# Allegro board HY_UART_DBUG_V20_230103.brd (continued)
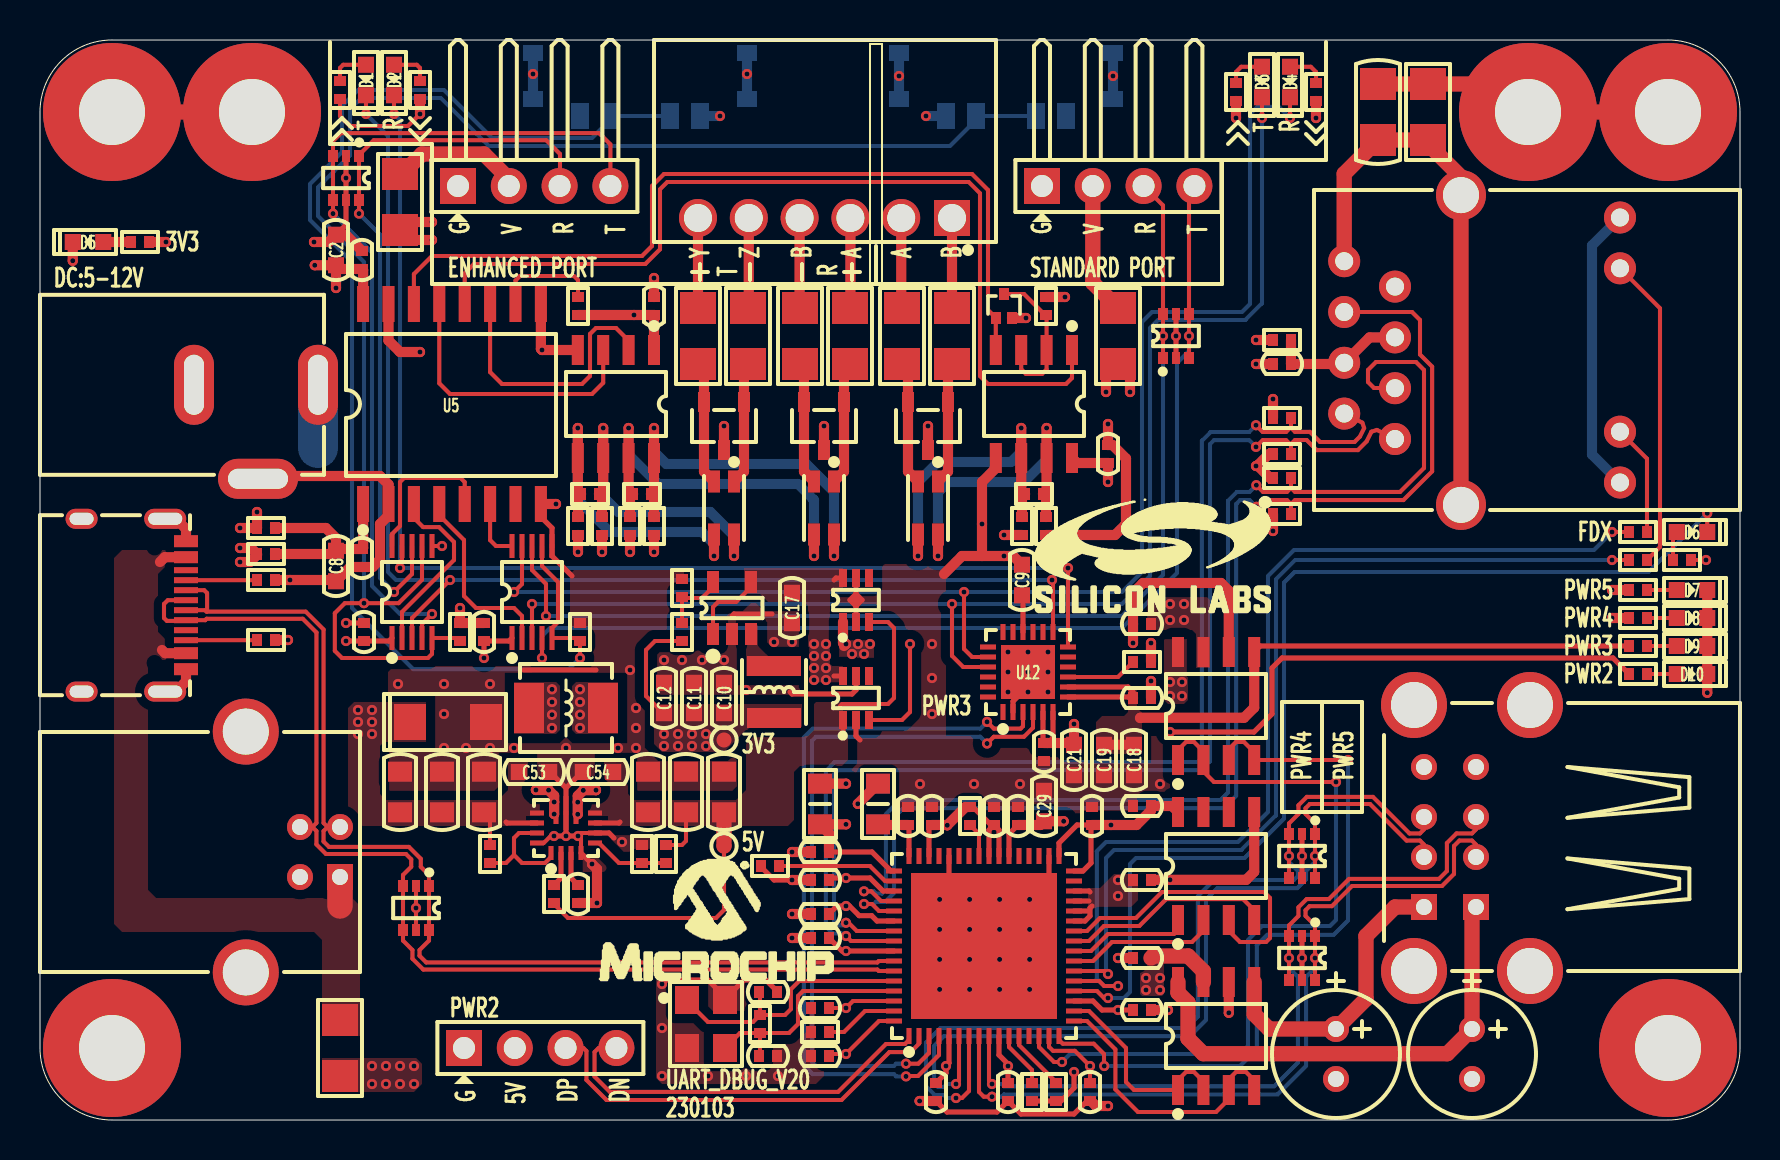
[diagram p0: board, top side]
## Routing (per net, layer and track width the routed paths; a pad name or vN(x,y) marks a point on that pad's centre or on a via; arc(x,y) is an arc through that point) (continued)
  L02_GND w1.27: MH1.1 3.6,46 ; MH4.1 MH3.1 70.1,50.4
  BOTTOM w0.508: J6.1 v1(42.95,52.2) J6.2 ; J7.2 v1(24.65,52.3) J7.1 ; J7.4 v1(35.35,52.3) J7.3 ; J6.3 v1(53.65,52.2) J6.4
  vias: v1(17.9,21.8) v1(20.2,21.8) v1(20.2,20.3) v1(20.2,18.6) v1(21.3,18.6) v1(22.5,21.8) v1(22.5,18.6) v1(23.7,18.6) v1(26.3,18.6) v1(28.9,18.6) v1(29.1,13.9) v1(29.5,22.5) v1(29.8,20.6) v1(29.8,19.6) v1(29.8,18.6) v1(31.1,4.6) v1(31.1,2.2) v1(31.2,23) v1(32.1,23) v1(33.1,23) v1(33.4,2.2) v1(34.2,23) v1(35.3,21.5) v1(35.3,2.2) v1(36.7,23.9) v1(36.9,2.2) v1(37.6,23.9) v1(44,16.8) v1(44.6,23.8) v1(44.6,22.1) v1(44.6,20.3) v1(44.98,11.03) v1(44.98,9.53) v1(44.98,8.03) v1(44.98,6.53) v1(46.48,11.03) v1(46.48,9.53) v1(46.48,8.03) v1(46.48,6.53) v1(46.7,16.8) v1(47.98,11.03) v1(47.98,9.53) v1(47.98,8.03) v1(47.98,6.53) v1(48.4,23.4) v1(48.4,22.4) v1(48.4,21.4) v1(49,16.8) v1(49.4,23.4) v1(49.4,21.4) v1(49.48,11.03) v1(49.48,9.53) v1(49.48,8.03) v1(49.48,6.53) v1(50.4,23.4) v1(50.4,22.4) v1(50.4,21.4) v1(56,16.8)
GND_EARTH: length 28.2
  TOP w0.762: J4.13 J4.14 71.05,47.15 69.4,48.8 R5.1 C1.2 65.21,47.31 J4.8
GND_ISO: length 24.4
  TOP w0.508: R28.1 53.75,29.25 54.3,29.8 54.3,33.07 53.62,33.75 C6.1 v1(53.4,34.8) ; U7.3 v1(39.2,34.7) ; U5.15 17.43,38.98 18,38.4 v1(19,38.4) ; U5.9 25.05,38.55 v1(25.1,38.5) U3.4 ; Q1.2 v1(49.3,40.1) ; R24.1 v1(28.1,28.4) ; U6.3 v1(34.2,34.7) ; U8.3 v1(44.4,34.7) ; R25.1 v1(29.5,28.4) ; C4.1 v1(30.7,42.1)
VBUS_DET: length 2.8
  TOP w0.203: R53.1 49.6,2.5 48.45,3.65 U21.11
VCC_3.3V: length 93.9
  TOP w0.203: R33.2 v1(83.3,28) ; R1.2 15,50.2 15.5,49.7 18.4,49.7 v1(19,50.3) ; C12.1 31.16,20.34 30.3,21.2 30.3,23.5 30.75,23.95 R43.1
  TOP w0.254: R53.2 R54.2 51.05,0.95 51.7,1.6 v1(51.7,2.4) ; C32.2 47.95,14.5 U21.39 ; C32.2 47.45,14.5 U21.40 ; C32.2 47.55,14.75 46.65,15.65 R45.1 ; 52.55,14.75 51.85,14.75 50.95,13.85 U21.33 ; 52.55,14.75 C34.2 ; 52.55,14.75 52.55,12.85 52.15,12.45 U21.32 ; C43.2 v1(53.9,5.5) 53.1,5.5 52.65,5.95 U21.19 ; U21.30 52.45,11.45 52.5,11.4 ; C20.2 50.15,18.9 U12.5 ; U21.28 52.45,10.45 ; U21.46 44.45,14.6 C31.2 ; 50.4,18.85 50.65,19.1 U12.6 ; U21.27 52.25,9.95 52.5,10.2 52.5,10.6 52.6,10.7 ; U10.1 23.45,23.95 C15.2 v1(22.2,23.1) ; U21.29 52.45,10.95 ; v1(15.3,23.95) C14.2 17.45,23.95 U9.1
  TOP w0.508: v1(60.8,32.7) 60.9,32.7 ; 60.9,32.7 61.5,32.1 R18.2 ; 60.9,32.7 60.9,32.75 61.45,33.3 R17.2 ; R15.1 v1(60.8,39) ; v1(51.7,19.8) C21.2 51.61,18.85 C20.2 ; v1(19.6,44.9) 18.4,44.9 F1.1 18.5,44 v1(19.6,44) ; C31.2 45.35,14.75 v1(45.36,14.74) 46.28,15.65 R45.1 ; v1(53.3,36.4) 53.3,37.3 53.8,37.8 F2.1 54,37.8 54.5,37.3 v1(54.5,36.4) ; C34.2 v1(53.55,14.75) 54.82,14.75 55.55,15.48 C13.1 56.6,15.7 U13.8 ; v1(10,27.9) 10.5,27.9 10.85,28.25 R30.1 10.55,28.6 v1(10,28.6) ; R16.2 v1(61.65,36.05) ; R2.2 v1(19,50.3) ; L6.1 v1(40.3,16.82) ; R41.1 v1(55.55,23.85) ; R22.2 v1(61.65,29.45) ; R4.2 v1(63.8,50.1) ; R6.2 v1(6.3,43.9) ; R3.2 v1(59.8,50.1)
  L03_VCC w0.254: 45.1,0.5 48.3,0.5 ; 44.1,1.9 43.6,1.4 42.4,1.4
  L03_VCC w0.508: J4.9 79,30.3
  BOTTOM w0.508: J6.8 v1(44.3,50.2) ; J7.5 v1(34,50.2) ; J4.9 77.6,33.27 77.6,43.73 J4.12
  vias: v1(31.2,19.3) v1(31.2,18.7) v1(31.9,19.3) v1(31.9,18.7) v1(32.6,19.3) v1(32.6,18.7) v1(33.3,19.3) v1(33.3,18.7) v1(53.9,12) v1(53.9,11.2)
VCC_3.3V_ISO: length 91.5
  TOP w0.508: v1(14.8,41.6) C2.1 ; C2.1 14.99,42.55 C3.1 16.16,42.49 U5.16 ; C2.1 v1(13.74,42.74) ; R7.2 v1(29.7,40.25) C4.2 U3.1 ; v1(53.4,31.9) C6.2 51.85,32.85 U4.8 ; R27.2 v1(48.2,29.25) ; R23.2 v1(26.9,28.4) ; R26.2 v1(30.7,28.4) ; R8.1 v1(51.25,41.15)
  L03_VCC w0.762: v1(48.2,29.25) 52.64,29.25 53.4,30.01 v1(53.4,31.9) 51.9,33.4 51.9,40.5 v1(51.25,41.15) 30.6,41.15 v1(29.7,40.25) ; v1(29.7,40.25) 31.8,38.15 31.8,29.5 v1(30.7,28.4) 29.86,29.24 27.74,29.24 v1(26.9,28.4) ; v1(29.7,40.25) 16.15,40.25 v1(14.8,41.6) 13.74,42.66 v1(13.74,42.74)
VCC_5V: length 10
  TOP w0.203: U14.1 33.65,25.65 33.9,25.9 34.8,25.9 35.55,26.65 U14.4
  TOP w0.254: 39.7,27 39.8,27.1 U11.6 ; U15.6 39.7,22.2
  TOP w0.508: v1(10,29.6) R31.1 v1(10.85,30.4)
  TOP w0.762: U18.7 58.17,7.44 57.41,8.2 55.65,8.2 C44.1
  vias: v1(38.7,23.8) v1(38.7,23.2) v1(38.7,22.6) v1(38.7,22) v1(39.3,23.8) v1(39.3,23.2) v1(39.3,22.6) v1(39.3,22) v1(55.3,7.1) v1(55.3,6.5) v1(56,7.1) v1(56,6.5) v1(56.5,25.8) v1(56.5,25) v1(57.2,25.8) v1(57.2,25)
VCC_5V_DC: length 26.3
  TOP w0.203: R50.2 32.1,13.75 32.3,13.95 C26.2 ; 40,20.7 40.1,20.8 42.4,20.8 42.7,21.1 42.7,24.6 42.4,24.9 U11.3 ; TP2.1 34.2,10.5 33.8,10.1 26.4,10.1 25.7,10.8 R48.2
  TOP w0.254: 29,14.9 28.95,14.85 U16.7 ; U15.1 40.15,19.15 40.2,19.1
  TOP w0.762: TP2.1 C27.2
VCC_IN: length 6.5
  TOP w0.203: R47.2 22.5,15.08 C24.2
  TOP w0.254: 23.3,14.9 23.35,14.85 U16.13
  BOTTOM w2: DC1.1 13.9,33.6
  vias: v1(15.9,20.5) v1(15.9,19.9) v1(15.9,19.3) v1(16.6,20.5) v1(16.6,19.9) v1(16.6,19.3)
VCC_PWR2: length 74.4
  TOP w0.254: v1(56.5,19.4) 60.7,19.4 61.6,20.3 61.6,22.6 62.1,23.1 78.65,23.1 R42.2
  L03_VCC w0.762: J5.2 23.7,3.64 23.7,7 24.8,8.1 34.84,8.1 35.6,8.86 35.6,16.9 36.5,17.8 55.6,17.8 56.5,18.7 v1(56.5,19.4) v1(56.5,21.2)
  vias: v1(56.5,21.9) v1(57.1,21.9) v1(57.1,21.2)
VCC_PWR3: length 36
  TOP w0.254: 54.6,21.15 U12.7 ; C16.2 54.65,21.4 54.4,21.65 U12.8 ; R40.2 61.01,23.7 U23.5
  TOP w0.508: 55,20.1 55.01,20.11 60.2,20.11 60.71,20.62 U23.5 ; C16.2 54.6,21.15 ; 54.7,18.8 C18.2 C19.2
VCC_PWR4: length 39.1
  TOP w0.508: R36.2 v1(78.6,25.1)
  TOP w0.762: USB2.5 67.75,10.65 66.3,9.2 66.3,6.05 C46.1 61.45,4.55 60.71,5.29 U18.5
  L03_VCC w0.508: USB2.5 70.45,11.9 78.2,11.9 79.31,13.01 79.31,24.39 v1(78.6,25.1)
VCC_PWR5: length 49.2
  TOP w0.508: R35.2 v1(78.6,26.5)
  TOP w0.762: USB2.1 71.6,10.45 C47.1 70.37,3.32 58.16,3.32 57.4,4.08 57.4,5.87 56.9,6.37 U18.8
  L03_VCC w0.508: USB2.1 71.85,10.7 78.8,10.7 80.2,12.1 80.2,24.9 v1(78.6,26.5)
VCC_USB: length 7
  TOP w0.203: U15.3 43.1,20 43.5,20.4 v1(43.5,23.8)
  TOP w0.508: U11.1 40.15,23.85 40.25,23.85 v1(40.3,23.8) 40.2,23.7
  vias: v1(16.6,2.7) v1(16.6,1.8) v1(17.3,2.7) v1(17.3,1.8) v1(18,2.7) v1(18,1.8) v1(18.7,2.7) v1(18.7,1.8) v1(40.6,23.3) v1(40.9,23.8) v1(41.2,23.3) v1(41.5,23.8)
VCC_VBUS: length 4.1
  TOP w0.508: USB1.11 6.26,23.34 6.1,23.5 ; 6,27.9 6.24,28.14 USB1.2
  TOP w1.27: USB3.1 15,10.7
VDD18CORE: length 20.7
  TOP w0.203: C52.2 v1(52.5,2.7) 51.74,3.46 50.65,3.46 50.45,3.66 U21.15
  TOP w0.254: U21.38 48.45,14.3 C33.2
  TOP w0.508: C33.2 50.01,14.75 C29.2 v1(51.18,14.94)
  L03_VCC w0.508: v1(52.5,2.7) 52.41,2.79 52.41,2.79 51.99,3.21 51.99,3.21 51.18,4.02 v1(51.18,14.94)
VDD18ETHPLL: length 3.1
  TOP w0.254: U21.48 43.45,14.7 C30.2
  TOP w0.508: C30.2 41.93,14.75 L7.2
VDD18USBPLL: length 18.6
  TOP w0.203: U21.62 40.65,5.95 v1(40.3,5.6) C45.2
  TOP w0.508: L7.1 v1(40.89,15.81)
  L03_VCC w0.508: v1(40.89,15.81) 39.01,15.81 38.4,15.2 38.4,13.71 38.41,13.69 38.41,13.11 38.4,13.09 38.4,6.4 39.2,5.6 v1(40.3,5.6)
VDD33A: length 48.3
  TOP w0.203: C49.2 39.55,3.3 v1(40.3,3.3) 41.95,4.95 U21.64
  TOP w0.254: U21.5 45.45,2.85 v1(45.3,2.7) 45.3,2.35 C50.2 ; C51.2 v1(48.4,2.7) 48.4,2.8 47.95,3.25 U21.10 ; U21.49 42.55,12.45 41.6,13.4 C36.2 ; U21.57 v1(40.3,8.45) 40.1,8.45 C41.2 ; C40.2 39.85,10.7 v1(40.3,10.7) 40.47,10.7 40.96,10.22 41.58,10.22 41.85,9.95 U21.54 ; C38.2 39.55,12.1 v1(40.3,12.1) 41.5,12.1 42.15,11.45 U21.51
  TOP w0.508: C36.2 39.45,14.33 L6.2 v1(40.3,14.78)
  L03_VCC w0.508: 41.1,3.65 41.1,7.65 v1(40.3,8.45) 39.55,8.45 39.24,8.76 39.24,10.34 39.6,10.7 v1(40.3,10.7)
  L03_VCC w0.762: v1(40.3,14.78) v1(40.3,12.1) v1(40.3,10.7) ; v1(48.4,2.7) v1(45.3,2.7) 44.35,3.65 40.65,3.65 v1(40.3,3.3)
422_A: length 4.5
  TOP w0.508: J1.3 40.52,40.62 R12.2
422_B: length 4.5
  TOP w0.508: J1.4 37.98,40.62 R11.2
422_RX: length 3
  TOP w0.203: U10.10 22.8,28.7 22.5,29 22.5,30.8
422_RX_ISO: length 13.7
  TOP w0.203: 22.5,40.8 22.5,37.4 23.1,36.8 27.1,36.8 27.5,37.2 27.5,39.3 27.8,39.6 28.8,39.6 29.43,38.97 U3.2
422_TX: length 9.5
  TOP w0.203: U5.4 19.96,30.23 21.2,29 21.2,26.2 21.8,25.6 23.7,25.6 24.1,25.2 U10.2
422_TX_ISO: length 14.3
  TOP w0.203: U3.3 28.16,36.86 27.6,36.3 20.5,36.3 19.96,36.84 U5.13
422_Y: length 4.5
  TOP w0.508: R9.2 J1.6
422_Z: length 4.5
  TOP w0.508: J1.5 35.44,40.64 R10.2
422A: length 19.9
  TOP w0.508: R26.1 30.7,31.15 R20.2 30.7,31.45 U3.8 v1(30.7,34.6) ; L2.4 v1(39.7,28.2)
  BOTTOM w0.508: v1(39.7,28.2) 39.7,31.41 38.31,32.8 31.31,32.8 30.7,33.41 v1(30.7,34.6)
422B: length 20
  TOP w0.508: R25.2 29.5,31.15 R20.1 29.43,31.52 U3.7 v1(29.43,34.6) ; L2.3 v1(38.7,28.2)
  BOTTOM w0.508: v1(29.43,34.6) 29.43,33.27 30.9,31.8 37.9,31.8 38.7,31 v1(38.7,28.2)
422Y: length 17.6
  TOP w0.508: L1.3 v1(33.7,28.2) ; v1(26.89,34.6) U3.5 26.89,31.46 R19.2 26.9,31.15 R23.1
  BOTTOM w0.508: v1(33.7,28.2) 33.7,28.8 33.1,29.4 28.5,29.4 26.89,31.01 v1(26.89,34.6)
422Z: length 17.5
  TOP w0.508: L1.4 v1(34.7,28.2) ; v1(28.16,34.6) U3.6 28.16,31.51 R19.1 28.1,31.15 R24.2
  BOTTOM w0.508: v1(34.7,28.2) 34.7,29.21 33.51,30.4 28.91,30.4 28.16,31.15 v1(28.16,34.6)
485_A: length 4.5
  TOP w0.508: R13.2 43.06,40.64 J1.2
485_B: length 4.5
  TOP w0.508: R14.2 J1.1
485_RX: length 7.9
  TOP w0.203: U9.10 17.6,29.3 18,29.7 18,31.9 18.2,32.1 21.03,32.1 21.23,31.9 U5.5
485_RX_ISO: length 46.6
  TOP w0.203: U5.12 21.23,42.34 21.7,42.8 30.27,42.8 31,43.53 31,46.53 31.37,46.9 46.43,46.9 47,46.33 47,37.2 47.4,36.8 51.3,36.8 51.6,37.1 U4.1
485_TX: length 9.1
  TOP w0.203: U9.2 18.1,25.4 20.7,28 20.7,28.9 19.95,29.65 19.15,29.65 18.7,30.11 U5.3
485_TX_ISO: length 42.5
  TOP w0.203: U5.14 18.7,42.3 19.6,43.2 30.1,43.2 30.6,43.7 30.6,46.7 31.2,47.3 46.6,47.3 47.4,46.5 47.4,40.5 Q1.1 47.79,40.09 U4.4
485A: length 16.3
  TOP w0.508: v1(49.06,34.6) U4.6 49.06,31.49 R21.2 49.1,31.15 R27.1 ; L3.3 v1(43.9,28.2)
  BOTTOM w0.508: v1(49.06,34.6) 49.06,33.41 48.55,32.9 44.9,32.9 43.9,31.9 v1(43.9,28.2)
485B: length 16.5
  TOP w0.508: v1(50.33,34.6) U4.7 50.33,31.48 R21.1 50.3,31.15 R28.2 ; L3.4 v1(44.9,28.2)
  BOTTOM w0.508: v1(50.33,34.6) 50.33,33.03 49.2,31.9 45.41,31.9 44.9,31.39 v1(44.9,28.2)
AUTOMDIX_EN: length 1.7
  TOP w0.203: U21.41 46.95,14.3 R45.2
CP2105_RXD_ECI: length 62.3
  TOP w0.203: D2.2 v1(17.7,50.3) ; U9.9 18.1,28 18,27.9 v1(18,27.6) ; U12.12 v1(51.4,27.6)
  BOTTOM w0.203: v1(51.4,27.6) v1(18,27.6) 18,50 v1(17.7,50.3)
CP2105_RXD_SCI: length 69.7
  TOP w0.203: v1(46.2,26.4) 46.2,23.55 46.6,23.15 U12.20 ; v1(23.7,26.4) 24.1,26.8 U10.9 ; D4.2 v1(62.5,50.1)
  BOTTOM w0.203: v1(23.7,26.4) v1(46.2,26.4) 54.1,26.4 55.1,27.4 55.1,39.9 55.6,40.4 60.1,40.4 60.5,40.8 60.5,50.29 60.87,50.66 61.94,50.66 v1(62.5,50.1)
CP2105_TXD_ECI: length 64
  TOP w0.203: D1.2 v1(16.3,50.3) ; U12.13 50.65,26.95 v1(50.6,27) ; v1(20.5,27) 18.6,25.1 U9.3
  BOTTOM w0.203: v1(50.6,27) v1(20.5,27) 17.8,27 17.4,27.4 17.4,49.2 v1(16.3,50.3)
CP2105_TXD_SCI: length 66.6
  TOP w0.203: D3.2 v1(61.1,50.1) ; v1(45.6,25.8) 45.6,23.21 46.16,22.65 U12.21 ; U10.3 v1(24.6,25.8)
  BOTTOM w0.203: v1(61.1,50.1) 61.1,40.83 60.27,40 55.9,40 55.5,39.6 55.5,27.2 54.1,25.8 v1(45.6,25.8) v1(24.6,25.8)
CTL_ECI: length 78.5
  TOP w0.203: R38.1 20.85,24.1 U9.5 19.6,23.3 19.4,23.1 15.1,23.1 14.74,23.46 14.74,25.34 15.24,25.84 v1(16.2,25.84) 17.93,25.84 19.1,27.01 U9.7
  BOTTOM w0.203: J6.6 J6.7 46.8,50 45.5,48.7 22.43,48.7 20.03,51.1 16.07,51.1 15.5,50.53 15.5,48.23 13.9,46.63 13.9,45.2 16.2,42.9 v1(16.2,25.84)
CTL_SCI: length 65.2
  TOP w0.203: v1(27,23.1) R39.1 26.85,24.1 U10.5 25.6,24.6 25.9,24.9 25.9,26.9 25.1,27.7 U10.7
  BOTTOM w0.203: J7.6 J7.7 28.5,50 27.6,49.1 22.6,49.1 20.2,51.5 15.9,51.5 15.1,50.7 15.1,48.4 13.5,46.8 13.5,45 15.6,42.9 15.6,25.6 18.66,22.54 26.44,22.54 v1(27,23.1)
EECLK: length 7.6
  TOP w0.203: U21.23 52.65,7.95 53.6,8.9 57.6,8.9 58.17,9.47 U13.2
EECS: length 6.1
  TOP w0.203: U21.24 52.55,8.45 53.4,9.3 56.7,9.3 56.9,9.5 U13.1
EEDI: length 15.6
  TOP w0.203: U13.3 59.44,9.46 60,8.9 61.3,8.9 61.5,9.1 61.5,11.1 61.2,11.4 56.1,11.4 54.8,10.1 53,10.1 52.35,9.45 U21.26
EEDO: length 10.6
  TOP w0.203: U13.4 60.71,10.49 60.16,11.04 56.31,11.04 54.97,9.7 53.2,9.7 52.45,8.95 U21.25
NFDX_LED_GPIO0: length 53.4
  TOP w0.203: U21.20 52.85,6.45 53.2,6.1 v1(53.4,6.1) ; D6.2 v1(83.36,30.34)
  BOTTOM w0.203: v1(53.4,6.1) 54.2,6.1 54.5,6.4 54.5,12.8 54.8,13.1 60.23,13.1 62.2,15.07 62.2,26.87 62.73,27.4 80.42,27.4 v1(83.36,30.34)
NLNKA_LED_GPIO1: length 50
  TOP w0.203: U21.21 52.96,6.95 53.21,6.7 v1(53.9,6.7) ; R29.1 v1(78.6,29.4)
  BOTTOM w0.203: v1(53.9,6.7) 53.21,6.7 52.84,7.07 52.84,13.44 53.3,13.9 59.9,13.9 61.4,15.4 61.4,27.2 62.7,28.5 77.7,28.5 v1(78.6,29.4)
NRESET: length 3.1
  TOP w0.203: R54.1 50.8,1.9 48.95,3.75 U21.12
NSPD_LED_GPIO2: length 46.8
  TOP w0.203: R32.1 v1(78.6,28) ; U21.22 53.25,7.45 v1(53.4,7.3)
  BOTTOM w0.203: v1(53.4,7.3) 53.3,7.4 53.3,13.1 53.7,13.5 60.07,13.5 61.8,15.23 61.8,27.03 62.77,28 v1(78.6,28)
PRTCTL2: length 38.6
  TOP w0.203: U21.14 49.95,3.65 50.7,2.9 v1(51.1,2.9) ; U23.1 56.9,18.5 57.3,18.9 57.7,18.9 58.17,18.43 U23.2 58.17,17.43 58.7,16.9 v1(64.8,16.9)
  BOTTOM w0.203: v1(64.8,16.9) 64.8,10 64.5,9.7 61.1,9.7 60.4,9 60.4,3.7 60,3.3 51.5,3.3 v1(51.1,2.9)
PRTCTL3: length 36.9
  TOP w0.203: v1(53.21,2.7) 53.2,2.71 53.2,3.3 52.69,3.81 51.14,3.81 50.95,4 U21.16 ; v1(65.4,18) U23.4 60.71,18.39 60.2,18.9 59.8,18.9 59.44,18.54 U23.3
  BOTTOM w0.203: v1(65.4,18) 65.4,9.98 64.68,9.26 61.36,9.26 60.84,8.74 60.84,3.54 60,2.7 v1(53.21,2.7)
PRTCTL4: length 14.1
  TOP w0.203: U18.4 60.71,1.99 60.3,2.4 59.8,2.4 59.44,2.04 U18.3 59.44,1.04 58.8,0.4 54.9,0.4 53.77,1.53 53.77,3.53 52.35,4.95 U21.17
PRTCTL5: length 10.4
  TOP w0.203: U21.18 52.45,5.45 54.3,3.6 54.3,1.9 54.7,1.5 U18.1 56.9,2 57.3,2.4 57.7,2.4 58.17,1.93 U18.2
RXN: length 62.5
  TOP w0.203: v1(41.2,10.8) 41.6,10.8 41.95,10.45 U21.53 ; R22.1 62.55,30.79 ; 62.55,30.79 62.75,31 68.17,31 69.61,32.43 69.61,37.67 69,38.27 69,40 68.6,40.4 J4.6 ; 62.55,30.79 62.35,31 61.15,31 v1(60.82,30.66)
  BOTTOM w0.203: v1(60.82,30.66) 60.48,31 60.01,31 59.81,30.79 59.81,16.21 59.19,15.59 43.17,15.59 42.7,15.13 42.7,11.36 42.26,10.91 41.81,10.91 41.69,10.8 v1(41.2,10.8)
RXP: length 60.4
  TOP w0.203: v1(41.2,11.44) 41.56,11.44 42.05,10.95 U21.52 ; J4.3 67.74,36.6 66.7,36.6 66.4,36.9 66.4,37.5 66.8,37.9 68.8,37.9 69.2,37.5 69.2,32.6 68,31.4 62.75,31.4 62.55,31.61 ; 62.55,31.61 62.35,31.4 61.15,31.4 v1(60.82,31.74) ; 62.55,31.61 R18.1
  BOTTOM w0.203: v1(60.82,31.74) 60.48,31.4 59.84,31.4 59.4,30.96 59.4,16.37 59.03,16 43,16 42.3,15.3 42.3,11.52 42.09,11.32 41.81,11.32 41.69,11.44 v1(41.2,11.44)
TTL_RX_ECI: length 37.5
  TOP w0.203: v1(17.7,26.4) 18.6,27.3 U9.8 ; v1(15.95,45.32) U1.6 U1.1 15.95,48.25 16.69,48.99 25.31,48.99 26,48.3 26,46.72 J2.3
  BOTTOM w0.203: v1(15.95,45.32) 17,44.27 17,27.1 v1(17.7,26.4)
TTL_RX_SCI: length 56.4
  TOP w0.203: U2.1 v1(56.15,39.2) U2.6 56.15,45.73 J3.3 ; U10.8 24.6,27.5 25.3,26.8 v1(25.3,25.2)
  BOTTOM w0.203: v1(56.15,39.2) 56.15,27.25 54.1,25.2 v1(25.3,25.2)
TTL_TX_ECI: length 44.4
  TOP w0.203: J2.4 28.52,48.78 27.96,49.34 15.04,49.34 14.65,48.95 U1.3 U1.4 v1(14.65,45.32) ; U9.4 19.1,24.8 v1(19.6,25.3)
  BOTTOM w0.203: v1(14.65,45.32) 16.6,43.37 16.6,26.7 18,25.3 v1(19.6,25.3)
TTL_TX_SCI: length 56
  TOP w0.203: U2.3 v1(57.45,39.2) U2.4 57.45,46.43 J3.4 ; U10.4 v1(25.1,23.1)
  BOTTOM w0.203: v1(25.1,23.1) 25.1,24.2 25.5,24.6 54.1,24.6 56.85,27.35 56.85,37.85 57.45,38.45 v1(57.45,39.2)
TXN: length 57.6
  TOP w0.203: v1(60.8,34.74) 61.14,34.4 62.3,34.4 62.55,34.65 ; v1(40.3,9.2) 40.55,8.95 U21.56 ; 62.55,34.65 62.55,34.61 62.75,34.41 63.5,34.41 64,33.9 65.73,33.9 66,34.17 66.21,34.59 66.12,34.87 J4.2 ; 62.55,34.65 R16.1
  BOTTOM w0.203: v1(60.8,34.74) 60.46,34.4 58.53,34.4 58.09,33.96 58.09,18.1 57.89,17.9 39.73,17.9 39.29,17.46 39.29,9.67 39.64,9.33 40.07,9.33 40.2,9.2 v1(40.3,9.2)
TXP: length 56.8
  TOP w0.203: J4.1 66.84,34.5 66.57,34.41 66.57,34.41 66.33,33.93 65.89,33.49 63.83,33.49 63.33,34 62.75,34 62.55,33.8 62.55,33.74 ; v1(60.8,33.66) 61.14,33.99 62.3,33.99 62.55,33.74 ; R17.1 62.55,33.74 ; U21.55 40.84,9.45 40.43,9.86 v1(40.3,9.86)
  BOTTOM w0.203: v1(60.8,33.66) 60.46,33.99 58.7,33.99 58.5,33.79 58.5,17.93 58.06,17.49 39.9,17.49 39.7,17.29 39.7,9.84 39.8,9.73 40.13,9.73 40.26,9.86 v1(40.3,9.86)
USBDM0: length 55
  TOP w0.203: U21.58 41.94,7.95 41.87,7.88 19.31,7.88 18.98,8.21 18.98,8.5 19.45,8.97 U20.6 U20.1 19.45,12.25 19.04,12.66 19.04,13.06 18.44,13.66 14.45,13.66 14.18,13.93 14.18,14.45 14.38,14.65 ; 14.38,14.65 14.18,14.85 14.18,24.53 13.29,25.42 8.33,25.42 ; 14.38,14.65 USB3.2 ; 8.33,25.42 8.35,25.44 8.35,26.35 8.21,26.49 USB1.5 ; 8.33,25.42 8.26,25.49 USB1.7
USBDM2: length 19.7
  TOP w0.203: J5.4 27.93,3.6 27.73,3.4 27.73,2.17 28.49,1.41 39.91,1.41 42.3,3.8 43.25,3.8 43.45,4 U21.1
USBDM3: length 35.5
  TOP w0.203: v1(43.3,2.82) 43.92,2.82 44.45,3.35 U21.3 ; v1(47.35,18.82) 47.69,19.16 49.2,19.16 49.65,19.61 U12.4
  BOTTOM w0.203: v1(43.3,2.82) 42.81,2.82 42.69,2.7 38.8,2.7 38.6,2.9 38.6,18.96 38.8,19.16 47.01,19.16 v1(47.35,18.82)
USBDM4: length 43.6
  TOP w0.203: v1(45.8,1.8) 45.95,1.95 U21.6 ; USB2.6 69.2,13.77 69,13.97 68.33,13.97 66.5,15.8 63.49,15.8 63.28,15.59 63.28,15.3 63.75,14.83 U17.1 v1(63.75,13.2) U17.6
  BOTTOM w0.203: v1(63.75,13.2) 63.75,12.9 63.3,12.45 63.3,12.03 62.86,11.59 58.87,11.59 58.3,11.03 58.3,5 57.49,4.19 45.19,4.19 44.7,3.7 44.7,1.86 44.91,1.65 45.19,1.65 45.34,1.8 v1(45.8,1.8)
USBDM5: length 40.6
  TOP w0.203: U21.8 46.95,1.4 47.19,1.17 v1(47.6,1.17) ; USB2.2 71.8,13.77 71.6,13.97 70.97,13.97 70.7,13.7 70.7,12.3 70.1,11.7 65.6,11.7 64.59,10.69 63.48,10.69 63.28,10.49 63.28,10.2 63.75,9.73 U19.1 v1(63.75,8.1) U19.6
  BOTTOM w0.203: v1(63.75,8.1) 63.75,7.6 63.3,7.15 63.3,2.7 61.88,1.28 48.21,1.28 48.09,1.17 v1(47.6,1.17)
USBDP0: length 56
  TOP w0.203: 13.62,14.65 13.82,14.45 13.82,13.78 14.3,13.3 18.3,13.3 18.56,13.04 18.56,12.66 18.15,12.25 U20.3 U20.4 18.15,8.97 18.62,8.5 18.62,8.06 19.16,7.52 41.87,7.52 41.94,7.45 U21.59 ; 13.62,14.65 13.82,14.85 13.82,24.38 13.14,25.06 8.33,25.06 8.26,24.99 USB1.8 7.27,24.96 6.34,24.96 6.2,25.1 6.2,25.8 6.39,25.99 USB1.6 ; 13.62,14.65 USB3.3
USBDP2: length 21.1
  TOP w0.203: J5.3 27.17,3.6 27.32,3.45 27.32,2 28.33,1 40.07,1 42.47,3.39 43.53,3.39 43.95,3.82 U21.2
USBDP3: length 37
  TOP w0.203: v1(47.35,19.91) 47.69,19.57 49.03,19.57 49.15,19.69 U12.3 ; U21.4 44.95,3.25 43.9,2.2 43.32,2.2 v1(43.3,2.18)
  BOTTOM w0.203: v1(43.3,2.18) 42.81,2.18 42.69,2.29 38.63,2.29 38.19,2.74 38.19,19.13 38.63,19.57 47.01,19.57 v1(47.35,19.91)
USBDP4: length 46
  TOP w0.203: U21.7 46.45,1.45 46.1,1.1 v1(45.8,1.1) ; U17.4 v1(62.45,13.2) U17.3 62.45,14.83 62.92,15.3 62.92,15.74 63.34,16.16 66.65,16.16 68.48,14.33 69,14.33 69.2,14.53 USB2.7
  BOTTOM w0.203: v1(62.45,13.2) 62.45,12.9 62.9,12.45 62.9,12.2 62.69,12 58.7,12 57.89,11.19 57.89,5.17 57.33,4.6 45.03,4.6 44.3,3.87 44.3,1.69 44.74,1.25 45.19,1.25 45.34,1.1 v1(45.8,1.1)
USBDP5: length 39.5
  TOP w0.203: v1(47.6,1.8) 47.45,1.95 U21.9 ; U19.4 v1(62.45,8.1) U19.3 62.45,9.73 62.92,10.2 62.92,10.64 63.33,11.05 64.45,11.05 65.46,12.06 69.95,12.06 70.34,12.45 70.34,13.85 70.82,14.33 71.6,14.33 71.8,14.53 USB2.3
  BOTTOM w0.203: v1(47.6,1.8) 48.09,1.8 48.21,1.69 61.71,1.69 62.9,2.87 62.9,7.15 62.45,7.6 v1(62.45,8.1)
XI: length 11.6
  TOP w0.203: R51.1 36,3.25 C48.2 ; R51.1 37.45,4.35 37.9,4.8 37.9,6.2 38.15,6.45 U21.61 ; R51.1 35,4.35 U22.3
XO: length 13.4
  TOP w0.203: R51.2 35.65,4.9 33.4,4.9 32.35,5.95 U22.1 ; R51.2 37.25,5.25 37.54,5.54 37.54,6.54 37.96,6.95 U21.60 ; R51.2 36,6.35 C42.2
N17444119: length 2
  TOP w0.203: R1.1 15,52.6 15.16,52.76 D1.1
N17444150: length 1.9
  TOP w0.254: U12.16 49.15,26.19 C9.1
N17444179: length 2
  TOP w0.203: D2.1 18.84,52.76 19,52.6 R2.1
N17444185: length 2
  TOP w0.203: D3.1 60.06,52.66 59.8,52.4 R3.1
N17444187: length 2
  TOP w0.203: D4.1 63.54,52.66 63.8,52.4 R4.1
N17444217: length 6.2
  TOP w0.508: L3.2 43.4,32.42 U8.2 43.4,37.5 R13.1
N17444218: length 6.2
  TOP w0.508: R14.1 45.4,37.6 U8.1 45.4,32.42 L3.1
N17449852: length 3.7
  TOP w0.203: U21.63 41.25,5.45 40.2,4.4 R52.1
N17450053: length 6.1
  TOP w0.203: U21.50 42.25,11.95 41.5,12.7 R46.2
N17458084: length 7
  TOP w0.508: R15.2 C5.1 65.15,37.8 J4.4 66.48,39.13 J4.5
N17459440: length 15.7
  TOP w0.203: R32.2 81,28.65 81,40.59 J4.11
N17459522: length 5.6
  TOP w0.203: J4.10 80.35,33.06 R29.2
N17460830: length 1.5
  TOP w0.203: R33.1 81.65,29.21 D6.1
N17461894: length 3.6
  TOP w0.203: U12.9 53.9,22.15 R41.2
N17469844: length 5.8
  TOP w0.203: 23.7,13.25 23.7,14.1 23.95,14.35 U16.14 ; 23.7,13.25 24.1,12.85 25.25,12.85 25.55,13.15 U16.1 ; 23.7,13.25 23.3,12.85 R47.1
N17470263: length 1.7
  TOP w0.254: U16.3 26.55,12.1 C37.2
N17470516: length 2.6
  TOP w0.254: 27.17,16.49 27.79,16.49 27.8,16.49
  TOP w0.508: v1(26.89,15.29) v1(26.89,15.89) 26.89,16.21 v1(27.16,16.48) 27.17,16.49 v1(27.8,16.49)
  vias: v1(27,21.54) v1(27,20.9) v1(27,20.27) v1(27,19.6)
N17470525: length 2.6
  TOP w0.254: 25.42,16.5 24.8,16.5
  TOP w0.508: v1(24.8,16.5) 25.42,16.5 v1(25.43,16.49) 25.71,16.22 v1(25.71,15.9) v1(25.71,15.3)
  vias: v1(25.6,21.54) v1(25.6,20.9) v1(25.6,20.27) v1(25.6,19.6)
N17471041: length 1.7
  TOP w0.254: U16.2 26.05,12.1 R48.1
N17471980: length 4
  TOP w0.203: R50.1 R49.2 28.95,12.85 27.95,13.85 U16.5
N17489786: length 7.7
  TOP w0.203: Q1.3 49.2,41.3 50.25,40.25 R8.2 50.33,40.22 U4.2 50.33,37.53 50.1,37.3 49.3,37.3 49.06,37.54 U4.3
N17503731: length 3.6
  TOP w0.203: R34.2 10.84,26.99 USB1.4
N17503759: length 3.6
  TOP w0.203: USB1.10 10.84,23.99 R37.1
N17507593: length 3.3
  TOP w0.203: R43.2 R44.1 32.15,26.1 33.1,26.1 33.65,26.65 U14.5
N17517663: length 6.2
  TOP w0.508: R11.1 38.2,37.6 U7.2 38.2,32.42 L2.2
N17517696: length 6.2
  TOP w0.508: R12.1 40.2,37.5 U7.1 40.2,32.42 L2.1
N17518111: length 6.2
  TOP w0.508: R10.1 35.2,37.6 U6.1 35.2,32.42 L1.1
N17518144: length 6.2
  TOP w0.508: R9.1 33.2,37.5 U6.2 33.2,32.42 L1.2
N17519327: length 5.3
  TOP w0.203: R7.1 26.9,42 26.7,42.2 24,42.2 23.77,41.98 U5.10
N17519483: length 10.6
  TOP w0.508: C8.1 14.89,28.55 C7.1 16.16,28.61 U5.1 ; C8.1 14.64,28.3 R30.2 ; C8.1 14.8,29.09 14.29,29.6 R31.2
N17527537: length 1.4
  TOP w0.508: D5.1 R6.1
N17530301: length 6.6
  TOP w0.762: J3.2 52.64,41.86 F2.2
N17531328: length 6.7
  TOP w0.762: J2.2 23.44,47.06 22.2,48.3 19.1,48.3 18.1,47.3 F1.2
N175343710: length 1.5
  TOP w0.203: R42.1 D10.1
N175343890: length 1.5
  TOP w0.203: R40.1 D9.1
N175344070: length 1.5
  TOP w0.203: R36.1 D8.1
N175344250: length 1.5
  TOP w0.203: R35.1 D7.1

## Copper pours and planes (outline as drawn; the poured copper is in the pictures)
GND on TOP: 31.1,1.8 38.8,1.8 39.2,2.2 39.2,6.9 38.8,7.3 31,7.3 30.8,7.1 30.8,2.1
GND on TOP: 37.6,27.8 44.9,27.8 45.3,27.4 45.3,19.2 56,19.2 56.5,18.7 56.5,14.9 56.1,14.5 40.8,14.5 40.1,15.2 40.1,18.5 40.2,18.6 37.8,18.6 37.2,19.2 37.2,21.2 35.1,21.2 35.1,16.6 34.8,16.3 31,16.3 30.6,15.9 30.6,12.7 30.3,12.4 24.5,12.4 24.2,12.7 24.2,15.6 23.8,16 17.8,16 17.4,16.4 17.4,22.4 17.7,22.7 26.5,22.7 26.5,27.3 26.7,27.5 32.2,27.5 32.2,26.1 32.4,26.3 37.2,26.3 37.2,27.4 ; 1 cut-out
GND on BOTTOM: 44.5,24.2 55.8,24.2 56.1,23.9 56.1,19.3 55.4,18.6 44.5,18.6 44.1,19 44.1,23.8
GND on BOTTOM: 30.9,7 37.2,7 37.6,6.6 37.6,2.1 37.3,1.8 31.1,1.8 30.8,2.1 30.8,6.9
GND on BOTTOM: 43.5,14.8 51.7,14.8 52.3,14.2 52.3,5.3 51.9,4.9 43.5,4.9 43.2,5.2 43.2,14.5
GND on L02_GND: 0.3,50.4 1.27,52.73 3.6,53.7 81.4,53.7 83.73,52.73 84.7,50.4 84.7,46.6 63.6,46.6 63.6,30.4 84.7,30.4 84.7,3.6 83.73,1.27 81.4,0.3 3.6,0.3 1.27,1.27 0.3,3.6 ; 4 cut-outs
GND_ISO on L02_GND: 18,42.6 54.2,42.6 54.8,42 54.8,31.1 54.3,30.6 30.7,30.6 30.6,30.5 30.6,28.3 30.4,28.1 27.4,28.1 27.2,28.3 27.2,32.8 26.7,33.3 18.2,33.3 17.6,33.9 17.6,42.2
VCC_3.3V on TOP: 30.7,20.8 38.1,20.8 38.1,19.5 35.3,19.5 34.2,18.4 31.1,18.4 30.7,18.8
VCC_3.3V on TOP: 52.5,11.6 53,11.6 53.7,12.3 54.9,12.3 54.9,10.8 54.5,10.4 52.5,10.4 52.4,10.5 52.4,11.5
VCC_3.3V on BOTTOM: 31,19.6 33.5,19.6 33.6,19.5 33.6,18.5 33.5,18.4 31,18.4 30.9,18.5 30.9,19.5
VCC_3.3V on L03_VCC: 0.3,50.4 1.27,52.73 3.6,53.7 81.4,53.7 83.73,52.73 84.7,50.4 84.7,46.6 63.6,46.6 63.6,30.4 84.7,30.4 84.7,3.6 83.73,1.27 81.4,0.3 3.6,0.3 1.27,1.27 0.3,3.6 ; 16 cut-outs
VCC_5V on TOP: 55.3,24.5 55.3,26 55.5,26.2 58.3,26.2 58.5,26 58.5,22.6 57.8,22.6 57.8,24.3 57.6,24.5
VCC_5V on TOP: 55.2,8.5 55.2,7.6 55,7.4 55,6.3 55.1,6.2 56.1,6.2 56.2,6.3 56.2,8.5
VCC_5V on TOP: 35.2,27.6 40.2,27.6 40.4,27.4 40.4,26.6 39.7,26.6 39.5,26.4 39.5,22.8 39.6,22.7 40.4,22.7 40.4,21.7 38.5,21.7 38.4,21.8 38.4,25.7 38.2,25.9 36.4,25.9 36,26.3 35.2,26.3
VCC_5V on BOTTOM: 56.3,26.1 57.4,26.1 57.5,26 57.5,24.8 57.4,24.7 56.3,24.7 56.2,24.8 56.2,26
VCC_5V on BOTTOM: 39.5,24.1 38.5,24.1 38.4,24 38.4,21.8 38.5,21.7 39.5,21.7 39.6,21.8 39.6,24
VCC_5V on BOTTOM: 55.1,7.4 56.2,7.4 56.3,7.3 56.3,6.3 56.2,6.2 55.1,6.2 55,6.3 55,7.3
VCC_5V on L03_VCC: 9.8,30.8 26,30.8 26.2,30.6 26.2,27.9 26.5,27.6 39.4,27.6 39.6,27.4 39.6,25.6 39.9,25.3 56,25.3 56.2,25.5 56.2,26 56.3,26.1 60,26.1 60.3,25.8 60.3,6.5 60,6.2 55.1,6.2 55,6.3 55,7.3 55.1,7.4 58.9,7.4 59.1,7.6 59.1,24.1 58.8,24.4 39.9,24.4 39.6,24.1 39.6,21.8 39.5,21.7 38.5,21.7 38.4,21.8 38.4,26.2 38.2,26.4 24.9,26.4 24.6,26.7 24.6,29.1 24.4,29.3 9.8,29.3 9.7,29.4 9.7,30.7
VCC_5V_DC on TOP: 28.2,17.9 29.4,17.9 29.4,16.3 29.7,16 34.8,16 35.3,16.5 35.3,18.8 35.7,19.2 38.4,19.2 38.7,19.5 38.7,20.8 38.8,20.9 40.4,20.9 40.4,18 40.1,17.7 38,17.7 37.7,17.4 37.7,15 37.4,14.7 27.4,14.7 27.4,15 28.4,15 28.4,15.2 27.4,15.2 27.4,15.7 27.6,15.9 28.1,15.9 28.2,16
VCC_IN on TOP: 19.3,20.9 19.3,18.9 17.2,18.9 17,18.7 17,16.3 17.3,16 22.9,16 23.4,16.5 23.4,17.9 24.4,17.9 24.4,15.9 24.5,15.8 25.1,15.8 25.2,15.7 25.2,15.2 24.3,15.2 24.3,15 25.2,15 25.2,14.7 15.7,14.7 15.4,15 15.4,20.6 15.7,20.9
VCC_IN on BOTTOM: 16.8,18.9 13.3,18.9 12.9,19.3 12.9,37.9 13.4,38.4 14.6,38.4 14.9,38.1 14.9,21.1 15.1,20.9 16.8,20.9 17,20.7 17,19.1
VCC_PWR2 on TOP: 57.4,24.2 56.4,24.2 56.2,24 56.2,21 56.4,20.8 57.2,20.8 57.4,21
VCC_PWR2 on BOTTOM, L03_VCC: 56.3,22.2 57.3,22.2 57.4,22.1 57.4,21 57.3,20.9 56.3,20.9 56.2,21 56.2,22.1
VCC_PWR3 on TOP: 52.8,18.3 55.1,18.3 55.1,21.7 54.4,21.7 54.4,20.4 54.2,20.2 53.1,20.2 52.8,19.9
VCC_USB on TOP: 14.1,1.4 18.7,1.4 19.1,1.8 19.1,2.8 18.8,3.1 14.1,3.1
VCC_USB on TOP: 39.9,25.4 39.9,23.1 40.1,22.9 41.6,22.9 41.7,23 41.7,24.1 41.6,24.2 40.5,24.2 40.4,24.3 40.4,25.4
VCC_USB on BOTTOM: 40.3,24.1 43.7,24.1 43.8,24 43.8,20.4 43.5,20.1 37.8,20.1 36.6,18.9 36.6,7.8 36.2,7.4 19.4,7.4 19.1,7.1 19.1,1.6 18.9,1.4 16.5,1.4 16.2,1.7 16.2,8.9 16.8,9.5 34.2,9.5 34.7,10 34.7,20.4 35.7,21.4 39.9,21.4 40.1,21.6 40.1,23.9
VCC_VBUS on TOP: 4.1,28.5 7.9,28.5 7.9,27.8 6.4,27.8 5.9,27.3 5.9,24.4 6.6,23.7 7.9,23.7 7.9,23 5.4,23 5.4,11.5 5.8,11.1 15.6,11.1 16,10.7 16,4.2 14.1,4.2 14.1,9 13.7,9.4 4.1,9.4 3.7,9.8 3.7,28.1
N17470516 on TOP: 28.9,21.9 26.8,21.9 26.6,21.7 26.6,19.5 26.8,19.3 28.9,19.3
N17470516 on BOTTOM: 26.7,15 27.9,15 28.1,15.2 28.1,21.8 28,21.9 26.8,21.9 26.6,21.7 26.6,15.1
N17470525 on TOP: 23.7,21.9 25.8,21.9 26,21.7 26,19.5 25.8,19.3 23.7,19.3
N17470525 on BOTTOM: 26,15.1 26,21.7 25.8,21.9 24.7,21.9 24.5,21.7 24.5,15.2 24.7,15 25.9,15
N17507551 on TOP: 35.3,24.8 35.3,22.2 38,22.2 38,23.2 36.4,23.2 35.9,23.7 35.9,24.7 35.8,24.8

## Text on the board
Ref Des/Silkscreen Bottom: TTL | 422 | 485
Ref Des/Silkscreen Top: DC:5-12V | 3V3 | ENHANCED PORT | PWR2 | UART_DBUG_V20 | 230103 | 5V | PWR3 | STANDARD PORT | PWR5 | PWR4 | FDX | T | R | G | V | DP | DN | Y | Z | B | A
